# Altium PCB PCB.PcbDoc (part 5 of 11)
Units mm, origin at the board's own origin, x right, y up, seen from the top; angles counter-clockwise.
Board outline 134.62 x 134.62 mm, 2 copper layers (Top Layer, Bottom Layer); 223 components, 326 nets, 5222 pads, 379 vias.
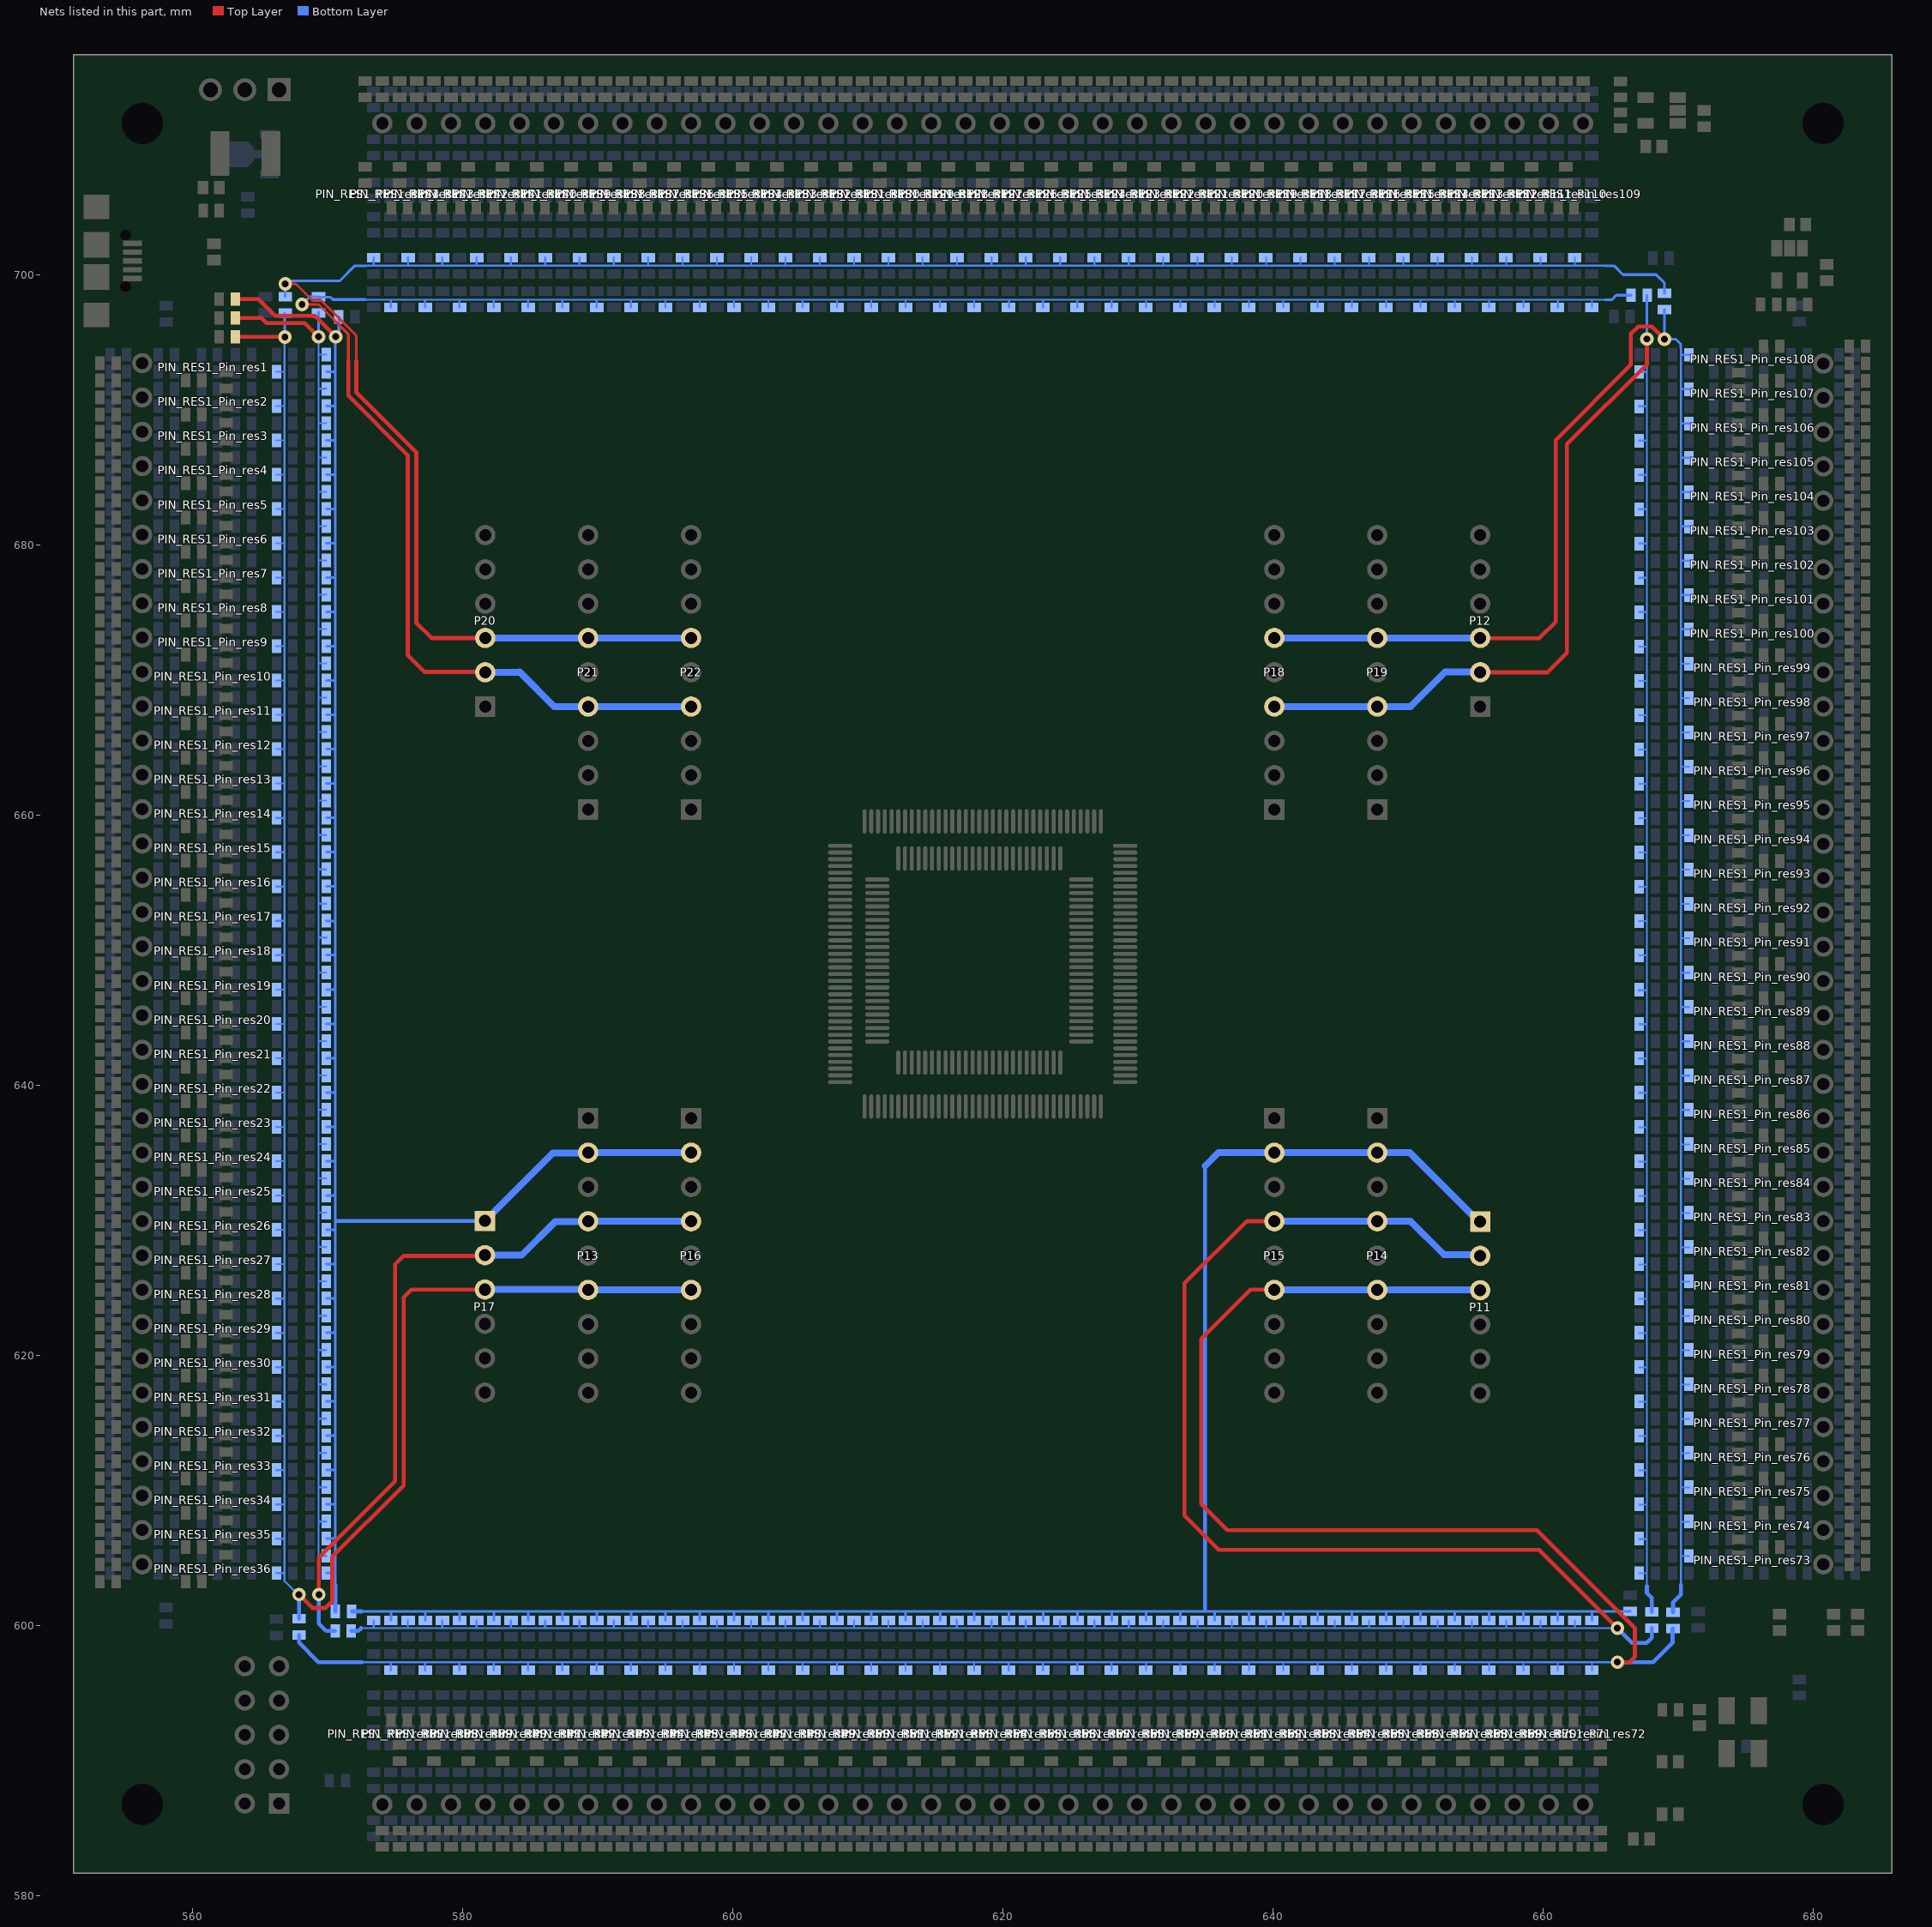
[diagram p5: the nets of this part, all layers, seen from the top]

## Via types
v1: diameter 1, hole 0.5, Top Layer to Bottom Layer, 322 vias
v2: diameter 1, hole 0.5, Top Layer to Bottom Layer, tented both sides, 57 vias

## Nets (pads, with @x,y where several pads share a name; then routed paths per layer and width w, separated by ;. In a path a pad name is that pad's centre, name@x,y a point inside that pad or via, vN(x,y) a via of type N, cw(c..) or ccw(c..) an arc to the next point about the centre after c; other vN are vias at no path point) (continued)
IO7: P13.6 P16.6 P17.3 PIN_RES1_Pin_res1.11 PIN_RES1_Pin_res2.11 PIN_RES1_Pin_res3.11 PIN_RES1_Pin_res4.11 PIN_RES1_Pin_res5.11 PIN_RES1_Pin_res6.11 PIN_RES1_Pin_res7.11 PIN_RES1_Pin_res8.11 PIN_RES1_Pin_res9.11 PIN_RES1_Pin_res10.11 PIN_RES1_Pin_res11.11 PIN_RES1_Pin_res12.11 PIN_RES1_Pin_res13.11 PIN_RES1_Pin_res14.11 PIN_RES1_Pin_res15.11 PIN_RES1_Pin_res16.11 PIN_RES1_Pin_res17.11 PIN_RES1_Pin_res18.11 PIN_RES1_Pin_res19.11 PIN_RES1_Pin_res20.11 PIN_RES1_Pin_res21.11 PIN_RES1_Pin_res22.11 PIN_RES1_Pin_res23.11 PIN_RES1_Pin_res24.11 PIN_RES1_Pin_res25.11 PIN_RES1_Pin_res26.11 PIN_RES1_Pin_res27.11 PIN_RES1_Pin_res28.11 PIN_RES1_Pin_res29.11 PIN_RES1_Pin_res30.11 PIN_RES1_Pin_res31.11 PIN_RES1_Pin_res32.11 PIN_RES1_Pin_res33.11 PIN_RES1_Pin_res34.11 PIN_RES1_Pin_res35.11 PIN_RES1_Pin_res36.11 R2.1 R17.1 R31.1 | length 171.8
  Top Layer w0.3: R31.1@563.159,695.401 566.801,695.401 v1(566.826,695.376) ; v1(567.868,602.285) 568.858,601.294 569.849,601.294 570.332,601.777 570.332,605.079 575.615,610.362 575.615,624.281 576.199,624.865 P17.3@581.635,624.865
  Bottom Layer w0.15: PIN_RES1_Pin_res36.11@566.201,603.885 566.801,603.885 ; PIN_RES1_Pin_res35.11@566.201,606.425 566.801,606.425 ; PIN_RES1_Pin_res34.11@566.201,608.965 566.801,608.965 ; PIN_RES1_Pin_res33.11@566.201,611.505 566.801,611.505 ; PIN_RES1_Pin_res32.11@566.201,614.045 566.801,614.045 ; PIN_RES1_Pin_res31.11@566.201,616.585 566.801,616.585 ; PIN_RES1_Pin_res30.11@566.201,619.125 566.801,619.125 ; PIN_RES1_Pin_res29.11@566.201,621.665 566.801,621.665 ; PIN_RES1_Pin_res28.11@566.201,624.205 566.801,624.205 ; PIN_RES1_Pin_res27.11@566.201,626.745 566.801,626.745 ; PIN_RES1_Pin_res26.11@566.201,629.285 566.801,629.285 ; PIN_RES1_Pin_res25.11@566.201,631.825 566.801,631.825 ; PIN_RES1_Pin_res24.11@566.201,634.365 566.801,634.365 ; PIN_RES1_Pin_res23.11@566.201,636.905 566.801,636.905 ; PIN_RES1_Pin_res22.11@566.201,639.445 566.801,639.445 ; PIN_RES1_Pin_res21.11@566.201,641.985 566.801,641.985 ; PIN_RES1_Pin_res20.11@566.201,644.525 566.801,644.525 ; PIN_RES1_Pin_res19.11@566.201,647.065 566.801,647.065 ; PIN_RES1_Pin_res18.11@566.201,649.63 566.801,649.63 ; PIN_RES1_Pin_res17.11@566.201,652.17 566.801,652.17 ; PIN_RES1_Pin_res16.11@566.201,654.71 566.801,654.71 ; PIN_RES1_Pin_res15.11@566.201,657.25 566.801,657.25 ; PIN_RES1_Pin_res14.11@566.201,659.79 566.801,659.79 ; PIN_RES1_Pin_res13.11@566.201,662.33 566.801,662.33 ; PIN_RES1_Pin_res12.11@566.201,664.87 566.801,664.87 ; PIN_RES1_Pin_res11.11@566.201,667.41 566.801,667.41 ; PIN_RES1_Pin_res10.11@566.201,669.95 566.801,669.95 ; PIN_RES1_Pin_res9.11@566.201,672.49 566.801,672.49 ; PIN_RES1_Pin_res8.11@566.201,675.03 566.801,675.03 ; PIN_RES1_Pin_res7.11@566.201,677.57 566.801,677.57 ; PIN_RES1_Pin_res6.11@566.201,680.11 566.801,680.11 ; PIN_RES1_Pin_res5.11@566.201,682.65 566.801,682.65 ; PIN_RES1_Pin_res4.11@566.201,685.19 566.801,685.19 ; PIN_RES1_Pin_res3.11@566.201,687.73 566.801,687.73 ; PIN_RES1_Pin_res2.11@566.201,690.27 566.801,690.27 ; PIN_RES1_Pin_res1.11@566.201,692.81 566.776,692.81 566.801,692.785 ; v1@566.801,695.02 566.801,692.785 ; v1(567.868,602.285) 567.792,602.285 566.801,603.275 566.801,603.885 ; 566.801,603.885 566.801,606.425 ; 566.801,606.425 566.801,608.965 ; 566.801,608.965 566.801,611.505 ; 566.801,611.505 566.801,614.045 ; 566.801,614.045 566.801,616.585 ; 566.801,616.585 566.801,619.125 ; 566.801,619.125 566.801,621.665 ; 566.801,621.665 566.801,624.205 ; 566.801,624.205 566.801,626.745 ; 566.801,626.745 566.801,629.285 ; 566.801,629.285 566.801,631.825 ; 566.801,631.825 566.801,634.365 ; 566.801,634.365 566.801,636.905 ; 566.801,636.905 566.801,639.445 ; 566.801,639.445 566.801,641.985 ; 566.801,641.985 566.801,644.525 ; 566.801,644.525 566.801,647.065 ; 566.801,647.065 566.801,649.63 ; 566.801,649.63 566.801,652.17 ; 566.801,652.17 566.801,654.71 ; 566.801,654.71 566.801,657.25 ; 566.801,657.25 566.801,659.79 ; 566.801,659.79 566.801,662.33 ; 566.801,662.33 566.801,664.87 ; 566.801,664.87 566.801,667.41 ; 566.801,667.41 566.801,669.95 ; 566.801,669.95 566.801,672.49 ; 566.801,672.49 566.801,675.03 ; 566.801,675.03 566.801,677.57 ; 566.801,677.57 566.801,680.11 ; 566.801,680.11 566.801,682.65 ; 566.801,682.65 566.801,685.19 ; 566.801,685.19 566.801,687.73 ; 566.801,687.73 566.801,690.27 ; 566.801,690.27 566.801,692.785
  Bottom Layer w0.2: v1@566.801,695.02 R17.1@566.801,697.154
  Bottom Layer w0.3: R2.1@567.868,600.497 v1(567.868,602.285)
  Bottom Layer w0.5: P17.3@581.635,624.865 P13.6@589.305,624.865 ; P13.6@589.28,624.84 P16.6@596.9,624.84
IO7_1: P11.3 P14.6 P15.6 PIN_RES1_Pin_res37.11 PIN_RES1_Pin_res38.11 PIN_RES1_Pin_res39.11 PIN_RES1_Pin_res40.11 PIN_RES1_Pin_res41.11 PIN_RES1_Pin_res42.11 PIN_RES1_Pin_res43.11 PIN_RES1_Pin_res44.11 PIN_RES1_Pin_res45.11 PIN_RES1_Pin_res46.11 PIN_RES1_Pin_res47.11 PIN_RES1_Pin_res48.11 PIN_RES1_Pin_res49.11 PIN_RES1_Pin_res50.11 PIN_RES1_Pin_res51.11 PIN_RES1_Pin_res52.11 PIN_RES1_Pin_res53.11 PIN_RES1_Pin_res54.11 PIN_RES1_Pin_res55.11 PIN_RES1_Pin_res56.11 PIN_RES1_Pin_res57.11 PIN_RES1_Pin_res58.11 PIN_RES1_Pin_res59.11 PIN_RES1_Pin_res60.11 PIN_RES1_Pin_res61.11 PIN_RES1_Pin_res62.11 PIN_RES1_Pin_res63.11 PIN_RES1_Pin_res64.11 PIN_RES1_Pin_res65.11 PIN_RES1_Pin_res66.11 PIN_RES1_Pin_res67.11 PIN_RES1_Pin_res68.11 PIN_RES1_Pin_res69.11 PIN_RES1_Pin_res70.11 PIN_RES1_Pin_res71.11 PIN_RES1_Pin_res72.11 R2.2 R11.2 | length 200.1
  Top Layer w0.3: P15.6@640.08,624.84 640.055,624.865 638.327,624.865 634.67,621.208 634.67,608.99 636.6,607.06 659.511,607.06 666.775,599.796 666.775,597.687 666.369,597.281 v1(665.48,597.281)
  Bottom Layer w0.15: 572.465,597.281 572.541,597.281 574.7,597.281 ; PIN_RES1_Pin_res37.11@574.675,596.681 574.675,597.256 574.7,597.281 ; PIN_RES1_Pin_res38.11@577.215,596.681 577.215,597.281 ; PIN_RES1_Pin_res39.11@579.755,596.681 579.755,597.281 ; PIN_RES1_Pin_res40.11@582.295,596.681 582.295,597.281 ; PIN_RES1_Pin_res41.11@584.835,596.681 584.835,597.281 ; PIN_RES1_Pin_res42.11@587.375,596.681 587.375,597.281 ; PIN_RES1_Pin_res43.11@589.915,596.681 589.915,597.281 ; PIN_RES1_Pin_res44.11@592.455,596.681 592.455,597.281 ; PIN_RES1_Pin_res45.11@594.995,596.681 594.995,597.281 ; PIN_RES1_Pin_res46.11@597.535,596.681 597.535,597.281 ; PIN_RES1_Pin_res47.11@600.075,596.681 600.075,597.281 ; PIN_RES1_Pin_res48.11@602.615,596.681 602.615,597.281 ; PIN_RES1_Pin_res49.11@605.155,596.681 605.155,597.281 ; PIN_RES1_Pin_res50.11@607.695,596.681 607.695,597.281 ; PIN_RES1_Pin_res51.11@610.235,596.681 610.235,597.281 ; PIN_RES1_Pin_res52.11@612.775,596.681 612.775,597.281 ; PIN_RES1_Pin_res53.11@615.315,596.681 615.315,597.281 ; PIN_RES1_Pin_res54.11@617.855,596.681 617.855,597.281 ; PIN_RES1_Pin_res55.11@620.42,596.681 620.42,597.281 ; PIN_RES1_Pin_res56.11@622.96,596.681 622.96,597.281 ; PIN_RES1_Pin_res57.11@625.5,596.681 625.5,597.281 ; PIN_RES1_Pin_res58.11@628.04,596.681 628.04,597.281 ; PIN_RES1_Pin_res59.11@630.58,596.681 630.58,597.281 ; PIN_RES1_Pin_res60.11@633.12,596.681 633.12,597.281 ; PIN_RES1_Pin_res61.11@635.66,596.681 635.66,597.281 ; PIN_RES1_Pin_res62.11@638.2,596.681 638.2,597.281 ; PIN_RES1_Pin_res63.11@640.74,596.681 640.74,597.281 ; PIN_RES1_Pin_res64.11@643.28,596.681 643.28,597.281 ; PIN_RES1_Pin_res65.11@645.82,596.681 645.82,597.281 ; PIN_RES1_Pin_res66.11@648.36,596.681 648.36,597.281 ; PIN_RES1_Pin_res67.11@650.9,596.681 650.9,597.281 ; PIN_RES1_Pin_res68.11@653.44,596.681 653.44,597.281 ; PIN_RES1_Pin_res69.11@655.98,596.681 655.98,597.281 ; PIN_RES1_Pin_res70.11@658.52,596.681 658.52,597.281 ; PIN_RES1_Pin_res71.11@661.06,596.681 661.06,597.281 ; PIN_RES1_Pin_res72.11@663.6,596.681 663.6,597.281 ; v1(665.48,597.281) 663.6,597.281 ; 574.7,597.281 577.215,597.281 ; 577.215,597.281 579.755,597.281 ; 579.755,597.281 582.295,597.281 ; 582.295,597.281 584.835,597.281 ; 584.835,597.281 587.375,597.281 ; 587.375,597.281 589.915,597.281 ; 589.915,597.281 592.455,597.281 ; 592.455,597.281 594.995,597.281 ; 594.995,597.281 597.535,597.281 ; 597.535,597.281 600.075,597.281 ; 600.075,597.281 602.615,597.281 ; 602.615,597.281 605.155,597.281 ; 605.155,597.281 607.695,597.281 ; 607.695,597.281 610.235,597.281 ; 610.235,597.281 612.775,597.281 ; 612.775,597.281 615.315,597.281 ; 615.315,597.281 617.855,597.281 ; 617.855,597.281 620.42,597.281 ; 620.42,597.281 622.96,597.281 ; 622.96,597.281 625.5,597.281 ; 625.5,597.281 628.04,597.281 ; 628.04,597.281 630.58,597.281 ; 630.58,597.281 633.12,597.281 ; 633.12,597.281 635.66,597.281 ; 635.66,597.281 638.2,597.281 ; 638.2,597.281 640.74,597.281 ; 640.74,597.281 643.28,597.281 ; 643.28,597.281 645.82,597.281 ; 645.82,597.281 648.36,597.281 ; 648.36,597.281 650.9,597.281 ; 650.9,597.281 653.44,597.281 ; 653.44,597.281 655.98,597.281 ; 655.98,597.281 658.52,597.281 ; 658.52,597.281 661.06,597.281 ; 661.06,597.281 663.6,597.281
  Bottom Layer w0.3: R2.2@567.868,599.297 567.868,598.729 569.316,597.281 572.541,597.281 ; v1(665.48,597.281) 668.122,597.281 669.569,598.729 669.569,599.754 R11.2@669.595,599.78
  Bottom Layer w0.5: P15.6@640.08,624.84 P14.6@647.7,624.84 655.295,624.84 P11.3@655.32,624.815
IO7_2: P12.3 P18.6 P19.6 PIN_RES1_Pin_res73.11 PIN_RES1_Pin_res74.11 PIN_RES1_Pin_res75.11 PIN_RES1_Pin_res76.11 PIN_RES1_Pin_res77.11 PIN_RES1_Pin_res78.11 PIN_RES1_Pin_res79.11 PIN_RES1_Pin_res80.11 PIN_RES1_Pin_res81.11 PIN_RES1_Pin_res82.11 PIN_RES1_Pin_res83.11 PIN_RES1_Pin_res84.11 PIN_RES1_Pin_res85.11 PIN_RES1_Pin_res86.11 PIN_RES1_Pin_res87.11 PIN_RES1_Pin_res88.11 PIN_RES1_Pin_res89.11 PIN_RES1_Pin_res90.11 PIN_RES1_Pin_res91.11 PIN_RES1_Pin_res92.11 PIN_RES1_Pin_res93.11 PIN_RES1_Pin_res94.11 PIN_RES1_Pin_res95.11 PIN_RES1_Pin_res96.11 PIN_RES1_Pin_res97.11 PIN_RES1_Pin_res98.11 PIN_RES1_Pin_res99.11 PIN_RES1_Pin_res100.11 PIN_RES1_Pin_res101.11 PIN_RES1_Pin_res102.11 PIN_RES1_Pin_res103.11 PIN_RES1_Pin_res104.11 PIN_RES1_Pin_res105.11 PIN_RES1_Pin_res106.11 PIN_RES1_Pin_res107.11 PIN_RES1_Pin_res108.11 R11.1 R16.1 | length 167.5
  Top Layer w0.3: P12.3@655.32,673.1 655.345,673.075 659.689,673.075 660.908,674.294 660.908,687.756 666.471,693.318 666.471,695.604 667.029,696.163 668.02,696.163 v1(668.96,695.223)
  Bottom Layer w0.15: 670.179,602.92 670.179,602.996 670.179,605.155 ; 670.179,694.588 670.179,694.055 ; PIN_RES1_Pin_res73.11@670.779,605.13 670.204,605.13 670.179,605.155 ; PIN_RES1_Pin_res74.11@670.779,607.67 670.179,607.67 ; PIN_RES1_Pin_res75.11@670.779,610.21 670.179,610.21 ; PIN_RES1_Pin_res76.11@670.779,612.75 670.179,612.75 ; PIN_RES1_Pin_res77.11@670.779,615.29 670.179,615.29 ; PIN_RES1_Pin_res78.11@670.779,617.83 670.179,617.83 ; PIN_RES1_Pin_res79.11@670.779,620.37 670.179,620.37 ; PIN_RES1_Pin_res80.11@670.779,622.91 670.179,622.91 ; PIN_RES1_Pin_res81.11@670.779,625.45 670.179,625.45 ; PIN_RES1_Pin_res82.11@670.779,627.99 670.179,627.99 ; PIN_RES1_Pin_res83.11@670.779,630.53 670.179,630.53 ; PIN_RES1_Pin_res84.11@670.779,633.07 670.179,633.07 ; PIN_RES1_Pin_res85.11@670.779,635.61 670.179,635.61 ; PIN_RES1_Pin_res86.11@670.779,638.15 670.179,638.15 ; PIN_RES1_Pin_res87.11@670.779,640.69 670.179,640.69 ; PIN_RES1_Pin_res88.11@670.779,643.23 670.179,643.23 ; PIN_RES1_Pin_res89.11@670.779,645.77 670.179,645.77 ; PIN_RES1_Pin_res90.11@670.779,648.31 670.179,648.31 ; PIN_RES1_Pin_res91.11@670.779,650.875 670.179,650.875 ; PIN_RES1_Pin_res92.11@670.779,653.415 670.179,653.415 ; PIN_RES1_Pin_res93.11@670.779,655.955 670.179,655.955 ; PIN_RES1_Pin_res94.11@670.779,658.495 670.179,658.495 ; PIN_RES1_Pin_res95.11@670.779,661.035 670.179,661.035 ; PIN_RES1_Pin_res96.11@670.779,663.575 670.179,663.575 ; PIN_RES1_Pin_res97.11@670.779,666.115 670.179,666.115 ; PIN_RES1_Pin_res98.11@670.779,668.655 670.179,668.655 ; PIN_RES1_Pin_res99.11@670.779,671.195 670.179,671.195 ; PIN_RES1_Pin_res100.11@670.779,673.735 670.179,673.735 ; PIN_RES1_Pin_res101.11@670.779,676.275 670.179,676.275 ; PIN_RES1_Pin_res102.11@670.779,678.815 670.179,678.815 ; PIN_RES1_Pin_res103.11@670.779,681.355 670.179,681.355 ; PIN_RES1_Pin_res104.11@670.779,683.895 670.179,683.895 ; PIN_RES1_Pin_res105.11@670.779,686.435 670.179,686.435 ; PIN_RES1_Pin_res106.11@670.779,688.975 670.179,688.975 ; PIN_RES1_Pin_res107.11@670.779,691.515 670.179,691.515 ; PIN_RES1_Pin_res108.11@670.779,694.055 670.179,694.055 ; 670.179,605.155 670.179,607.67 ; 670.179,607.67 670.179,610.21 ; 670.179,610.21 670.179,612.75 ; 670.179,612.75 670.179,615.29 ; 670.179,615.29 670.179,617.83 ; 670.179,617.83 670.179,620.37 ; 670.179,620.37 670.179,622.91 ; 670.179,622.91 670.179,625.45 ; 670.179,625.45 670.179,627.99 ; 670.179,627.99 670.179,630.53 ; 670.179,630.53 670.179,633.07 ; 670.179,633.07 670.179,635.61 ; 670.179,635.61 670.179,638.15 ; 670.179,638.15 670.179,640.69 ; 670.179,640.69 670.179,643.23 ; 670.179,643.23 670.179,645.77 ; 670.179,645.77 670.179,648.31 ; 670.179,648.31 670.179,650.875 ; 670.179,650.875 670.179,653.415 ; 670.179,653.415 670.179,655.955 ; 670.179,655.955 670.179,658.495 ; 670.179,658.495 670.179,661.035 ; 670.179,661.035 670.179,663.575 ; 670.179,663.575 670.179,666.115 ; 670.179,666.115 670.179,668.655 ; 670.179,668.655 670.179,671.195 ; 670.179,671.195 670.179,673.735 ; 670.179,673.735 670.179,676.275 ; 670.179,676.275 670.179,678.815 ; 670.179,678.815 670.179,681.355 ; 670.179,681.355 670.179,683.895 ; 670.179,683.895 670.179,686.435 ; 670.179,686.435 670.179,688.975 ; 670.179,688.975 670.179,691.515 ; 670.179,691.515 670.179,694.055
  Bottom Layer w0.2: R16.1@668.96,697.417 v1(668.96,695.223) 669.087,695.35 669.214,695.223 669.798,695.223 670.179,694.842 670.179,694.588
  Bottom Layer w0.3: R11.1@669.595,600.98 669.595,601.701 670.179,602.285 670.179,602.996
  Bottom Layer w0.5: P18.6@640.08,673.1 P19.6@647.7,673.1 P12.3@655.32,673.1
IO7_3: P20.3 P21.6 P22.6 PIN_RES1_Pin_res109.11 PIN_RES1_Pin_res110.11 PIN_RES1_Pin_res111.11 PIN_RES1_Pin_res112.11 PIN_RES1_Pin_res113.11 PIN_RES1_Pin_res114.11 PIN_RES1_Pin_res115.11 PIN_RES1_Pin_res116.11 PIN_RES1_Pin_res117.11 PIN_RES1_Pin_res118.11 PIN_RES1_Pin_res119.11 PIN_RES1_Pin_res120.11 PIN_RES1_Pin_res121.11 PIN_RES1_Pin_res122.11 PIN_RES1_Pin_res123.11 PIN_RES1_Pin_res124.11 PIN_RES1_Pin_res125.11 PIN_RES1_Pin_res126.11 PIN_RES1_Pin_res127.11 PIN_RES1_Pin_res128.11 PIN_RES1_Pin_res129.11 PIN_RES1_Pin_res130.11 PIN_RES1_Pin_res131.11 PIN_RES1_Pin_res132.11 PIN_RES1_Pin_res133.11 PIN_RES1_Pin_res134.11 PIN_RES1_Pin_res135.11 PIN_RES1_Pin_res136.11 PIN_RES1_Pin_res137.11 PIN_RES1_Pin_res138.11 PIN_RES1_Pin_res139.11 PIN_RES1_Pin_res140.11 PIN_RES1_Pin_res141.11 PIN_RES1_Pin_res142.11 PIN_RES1_Pin_res143.11 PIN_RES1_Pin_res144.11 R16.2 R17.2 | length 177.1
  Top Layer w0.2: v1(566.852,699.313) 567.633,699.313 568.807,698.139 569.461,698.139 572.11,695.49 572.11,693.598
  Top Layer w0.3: 572.11,693.598 572.11,691.286 576.555,686.841 576.555,674.218 577.672,673.1 P20.3@581.66,673.1
  Bottom Layer w0.15: 572.795,700.659 573.405,700.659 ; PIN_RES1_Pin_res144.11@573.405,701.259 573.405,700.659 ; PIN_RES1_Pin_res143.11@575.945,701.259 575.945,700.659 ; PIN_RES1_Pin_res142.11@578.485,701.259 578.485,700.659 ; PIN_RES1_Pin_res141.11@581.025,701.259 581.025,700.659 ; PIN_RES1_Pin_res140.11@583.565,701.259 583.565,700.659 ; PIN_RES1_Pin_res139.11@586.105,701.259 586.105,700.659 ; PIN_RES1_Pin_res138.11@588.645,701.259 588.645,700.659 ; PIN_RES1_Pin_res137.11@591.185,701.259 591.185,700.659 ; PIN_RES1_Pin_res136.11@593.725,701.259 593.725,700.659 ; PIN_RES1_Pin_res135.11@596.265,701.259 596.265,700.659 ; PIN_RES1_Pin_res134.11@598.805,701.259 598.805,700.659 ; PIN_RES1_Pin_res133.11@601.345,701.259 601.345,700.659 ; PIN_RES1_Pin_res132.11@603.885,701.259 603.885,700.659 ; PIN_RES1_Pin_res131.11@606.425,701.259 606.425,700.659 ; PIN_RES1_Pin_res130.11@608.965,701.259 608.965,700.659 ; PIN_RES1_Pin_res129.11@611.505,701.259 611.505,700.659 ; PIN_RES1_Pin_res128.11@614.045,701.259 614.045,700.659 ; PIN_RES1_Pin_res127.11@616.585,701.259 616.585,700.659 ; PIN_RES1_Pin_res126.11@619.15,701.259 619.15,700.659 ; PIN_RES1_Pin_res125.11@621.69,701.259 621.69,700.659 ; PIN_RES1_Pin_res124.11@624.23,701.259 624.23,700.659 ; PIN_RES1_Pin_res123.11@626.77,701.259 626.77,700.659 ; PIN_RES1_Pin_res122.11@629.31,701.259 629.31,700.659 ; PIN_RES1_Pin_res121.11@631.85,701.259 631.85,700.659 ; PIN_RES1_Pin_res120.11@634.39,701.259 634.39,700.659 ; PIN_RES1_Pin_res119.11@636.93,701.259 636.93,700.659 ; PIN_RES1_Pin_res118.11@639.47,701.259 639.47,700.659 ; PIN_RES1_Pin_res117.11@642.01,701.259 642.01,700.659 ; PIN_RES1_Pin_res116.11@644.55,701.259 644.55,700.659 ; PIN_RES1_Pin_res115.11@647.09,701.259 647.09,700.659 ; PIN_RES1_Pin_res114.11@649.63,701.259 649.63,700.659 ; PIN_RES1_Pin_res113.11@652.17,701.259 652.17,700.659 ; PIN_RES1_Pin_res112.11@654.71,701.259 654.71,700.659 ; PIN_RES1_Pin_res111.11@657.25,701.259 657.25,700.659 ; PIN_RES1_Pin_res110.11@659.79,701.259 659.79,700.659 ; PIN_RES1_Pin_res109.11@662.33,701.259 662.33,700.684 662.305,700.659 ; 664.54,700.659 662.305,700.659 ; 573.405,700.659 575.945,700.659 ; 575.945,700.659 578.485,700.659 ; 578.485,700.659 581.025,700.659 ; 581.025,700.659 583.565,700.659 ; 583.565,700.659 586.105,700.659 ; 586.105,700.659 588.645,700.659 ; 588.645,700.659 591.185,700.659 ; 591.185,700.659 593.725,700.659 ; 593.725,700.659 596.265,700.659 ; 596.265,700.659 598.805,700.659 ; 598.805,700.659 601.345,700.659 ; 601.345,700.659 603.885,700.659 ; 603.885,700.659 606.425,700.659 ; 606.425,700.659 608.965,700.659 ; 608.965,700.659 611.505,700.659 ; 611.505,700.659 614.045,700.659 ; 614.045,700.659 616.585,700.659 ; 616.585,700.659 619.15,700.659 ; 619.15,700.659 621.69,700.659 ; 621.69,700.659 624.23,700.659 ; 624.23,700.659 626.77,700.659 ; 626.77,700.659 629.31,700.659 ; 629.31,700.659 631.85,700.659 ; 631.85,700.659 634.39,700.659 ; 634.39,700.659 636.93,700.659 ; 636.93,700.659 639.47,700.659 ; 639.47,700.659 642.01,700.659 ; 642.01,700.659 644.55,700.659 ; 644.55,700.659 647.09,700.659 ; 647.09,700.659 649.63,700.659 ; 649.63,700.659 652.17,700.659 ; 652.17,700.659 654.71,700.659 ; 654.71,700.659 657.25,700.659 ; 657.25,700.659 659.79,700.659 ; 659.79,700.659 662.305,700.659
  Bottom Layer w0.2: R17.2@566.852,698.373 566.852,699.135 567.258,699.541 570.89,699.541 572.008,700.659 572.795,700.659 ; 664.591,700.659 665.226,700.659 665.886,699.999 668.35,699.999 668.96,699.389 R16.2@668.96,698.617
  Bottom Layer w0.5: P20.3@581.66,673.1 P21.6@589.28,673.1 P22.6@596.9,673.1